# Allegro board 8880F5-0824_updates.brd (continued)
## Routing (per net, layer and track width the routed paths; a pad name or vN(x,y) marks a point on that pad's centre or on a via; arc(x,y) is an arc through that point) (continued)
416.56,72.85 ; D106.A15 416.56,74.47 ; D318.B13 190.5,69.29 ; D318.B13 190.5,67.87 ; D318.B13 189.79,68.58 ; D318.B13 191.21,68.58 ; 319.23,35.56 D104.A6 ; D104.A6 320.04,34.75 ; D104.A6 320.85,35.56 ; D104.A6 320.04,36.37 ; 110.95,33.02 D132.A11 ; D132.A11 111.76,32.21 ; D132.A11 111.76,33.83 ; D132.A11 112.57,33.02 ; 15.24,100.79 D125.B2 ; D125.B2 14.43,101.6 ; D125.B2 15.24,102.41 ; D125.B2 16.05,101.6 ; 37.29,53.34 D127.A11 ; D127.A11 38.1,52.53 ; D127.A11 38.1,54.15 ; D127.A11 38.91,53.34 ; D110.A4 414.02,353.87 ; D110.A4 413.21,353.06 ; D110.A4 414.83,353.06 ; D110.A4 414.02,352.25 ; 332.33,187.45 SITE4.G11 ; SITE4.G11 332.33,188.41 ; SITE4.G11 332.81,187.93 ; SITE4.G11 331.85,187.93 ; 104.14,95.71 D129.A8 ; D129.A8 104.14,97.33 ; D129.A8 103.33,96.52 ; D129.A8 104.95,96.52 ; D109.B13 391.97,330.2 ; D109.B13 391.16,329.39 ; D109.B13 390.35,330.2 ; D109.B13 391.16,331.01 ; 175.26,52.53 D119.A7 ; D119.A7 176.07,53.34 ; D119.A7 175.26,54.15 ; D119.A7 174.45,53.34 ; 398.78,372.57 D111.A10 ; D111.A10 399.59,373.38 ; D111.A10 397.97,373.38 ; D111.A10 398.78,374.19 ; 403.86,39.83 D108.B10 ; D108.B10 403.86,41.45 ; D108.B10 403.05,40.64 ; D108.B10 404.67,40.64 ; 166.83,342.9 CSDPS429.B14 ; CSDPS429.B14 168.45,342.9 ; CSDPS429.B14 167.64,342.09 ; CSDPS429.B14 167.64,343.71 ; D114.B13 317.5,351.33 ; D114.B13 316.69,350.52 ; D114.B13 318.31,350.52 ; D114.B13 317.5,349.71 ; 403.05,76.2 D106.A10 ; D106.A10 403.86,75.39 ; D106.A10 404.67,76.2 ; D106.A10 403.86,77.01 ; 314.96,34.75 D104.A4 ; D104.A4 314.96,36.37 ; D104.A4 314.15,35.56 ; D104.A4 315.77,35.56 ; D305.B5 391.87,88.9 ; D305.B5 390.45,88.9 ; D305.B5 391.16,88.19 ; D305.B5 391.16,89.61 ; 121.92,93.17 D129.A15 ; D129.A15 121.92,94.79 ; D129.A15 122.73,93.98 ; D129.A15 121.11,93.98 ; CSDPS225.C15 238.76,331.01 ; CSDPS225.C15 239.57,330.2 ; CSDPS225.C15 237.95,330.2 ; CSDPS225.C15 238.76,329.39 ; 311.71,88.9 D301.B3 ; D301.B3 312.42,89.61 ; D301.B3 312.42,88.19 ; D301.B3 313.13,88.9 ; 198.12,65.33 D318.A16 ; D318.A16 197.41,66.04 ; D318.A16 198.12,66.75 ; D318.A16 198.83,66.04 ; D124.B9 254,38.91 ; D124.B9 254,37.29 ; D124.B9 253.19,38.1 ; D124.B9 254.81,38.1 ; D104.B5 318.31,38.1 ; D104.B5 317.5,37.29 ; D104.B5 316.69,38.1 ; D104.B5 317.5,38.91 ; D306.A13 411.48,64.21 ; D306.A13 412.19,63.5 ; D306.A13 410.77,63.5 ; D306.A13 411.48,62.79 ; D120.A6 172.72,36.37 ; D120.A6 172.72,34.75 ; D120.A6 173.53,35.56 ; D120.A6 171.91,35.56 ; 418.29,368.3 D111.B2 ; D111.B2 419.91,368.3 ; D111.B2 419.1,367.49 ; D111.B2 419.1,369.11 ; CSDPS229.C1 201.47,330.2 ; CSDPS229.C1 200.66,331.01 ; CSDPS229.C1 199.85,330.2 ; CSDPS229.C1 200.66,329.39 ; 386.08,57.61 D107.B3 ; D107.B3 386.89,58.42 ; D107.B3 386.08,59.23 ; D107.B3 385.27,58.42 ; 165.1,37.29 D120.B3 ; D120.B3 165.1,38.91 ; D120.B3 164.29,38.1 ; D120.B3 165.91,38.1 ; 332.74,32.21 D104.A11 ; D104.A11 332.74,33.83 ; D104.A11 331.93,33.02 ; D104.A11 333.55,33.02 ; 411.48,329.39 D109.B5 ; D109.B5 412.29,330.2 ; D109.B5 411.48,331.01 ; D109.B5 410.67,330.2 ; D120.B1 160.02,38.91 ; D120.B1 159.21,38.1 ; D120.B1 160.83,38.1 ; D120.B1 160.02,37.29 ; 85.55,38.1 D132.B1 ; D132.B1 87.17,38.1 ; D132.B1 86.36,37.29 ; D132.B1 86.36,38.91 ; 339.65,91.44 D301.B14 ; D301.B14 341.07,91.44 ; D301.B14 340.36,92.15 ; D301.B14 340.36,90.73 ; D107.B11 407.21,58.42 ; D107.B11 406.4,59.23 ; D107.B11 406.4,57.61 ; D107.B11 405.59,58.42 ; 325.12,80.47 D102.B8 ; D102.B8 325.12,82.09 ; D102.B8 325.93,81.28 ; D102.B8 324.31,81.28 ; 403.86,367.49 D111.B8 ; D111.B8 403.86,369.11 ; D111.B8 404.67,368.3 ; D111.B8 403.05,368.3 ; 408.13,393.7 D112.A6 ; D112.A6 408.94,392.89 ; D112.A6 409.75,393.7 ; D112.A6 408.94,394.51 ; D126.A10 35.56,77.01 ; D126.A10 34.75,76.2 ; D126.A10 35.56,75.39 ; D126.A10 36.37,76.2 ; D321.B12 262.33,91.44 ; D321.B12 260.91,91.44 ; D321.B12 261.62,90.73 ; D321.B12 261.62,92.15 ; 248.92,62.79 D322.A7 ; D322.A7 249.63,63.5 ; D322.A7 248.21,63.5 ; D322.A7 248.92,64.21 ; 261.62,39.83 D124.B12 ; D124.B12 262.43,40.64 ; D124.B12 261.62,41.45 ; D124.B12 260.81,40.64 ; D132.B5 96.52,38.91 ; D132.B5 96.52,37.29 ; D132.B5 95.71,38.1 ; D132.B5 97.33,38.1 ; 317.5,390.35 D116.B13 ; D116.B13 316.69,391.16 ; D116.B13 317.5,391.97 ; D116.B13 318.31,391.16 ; D231.B9 181.15,370.84 ; D231.B9 180.34,370.03 ; D231.B9 180.34,371.65 ; D231.B9 179.53,370.84 ; 45.72,34.75 D128.A14 ; D128.A14 46.53,35.56 ; D128.A14 45.72,36.37 ; D128.A14 44.91,35.56 ; D119.A2 163.37,55.88 ; D119.A2 162.56,56.69 ; D119.A2 161.75,55.88 ; D119.A2 162.56,55.07 ; D114.B12 320.04,348.79 ; D114.B12 320.04,347.17 ; D114.B12 319.23,347.98 ; D114.B12 320.85,347.98 ; S4_I2C.4 518.92,204.39 ; S4_I2C.4 517.98,203.45 ; S4_I2C.4 519.86,203.45 ; S4_I2C.4 518.92,202.51 ; 20.32,55.07 D127.A4 ; D127.A4 19.51,55.88 ; D127.A4 20.32,56.69 ; D127.A4 21.13,55.88 ; D108.B4 389.43,40.64 ; D108.B4 388.62,39.83 ; D108.B4 388.62,41.45 ; D108.B4 387.81,40.64 ; D111.A11 396.24,376.73 ; D111.A11 397.05,375.92 ; D111.A11 395.43,375.92 ; D111.A11 396.24,375.11 ; 85.55,33.02 D132.A1 ; D132.A1 86.36,33.83 ; D132.A1 87.17,33.02 ; D132.A1 86.36,32.21 ; D321.B5 243.84,89.61 ; D321.B5 244.55,88.9 ; D321.B5 243.13,88.9 ; D321.B5 243.84,88.19 ; D318.B12 187.96,71.83 ; D318.B12 187.96,70.41 ; D318.B12 188.67,71.12 ; D318.B12 187.25,71.12 ; 331.93,58.42 D103.B11 ; D103.B11 332.74,57.61 ; D103.B11 332.74,59.23 ; D103.B11 333.55,58.42 ; D123.B13 264.97,58.42 ; D123.B13 263.35,58.42 ; D123.B13 264.16,57.61 ; D123.B13 264.16,59.23 ; D322.B2 236.22,71.83 ; D322.B2 236.22,70.41 ; D322.B2 235.51,71.12 ; D322.B2 236.93,71.12 ; 420.83,330.2 D109.B1 ; D109.B1 422.45,330.2 ; D109.B1 421.64,329.39 ; D109.B1 421.64,331.01 ; D122.B3 238.76,79.55 ; D122.B3 238.76,77.93 ; D122.B3 237.95,78.74 ; D122.B3 239.57,78.74 ; 261.62,85.65 D321.A12 ; D321.A12 262.33,86.36 ; D321.A12 261.62,87.07 ; D321.A12 260.91,86.36 ; D119.B16 198.93,60.96 ; D119.B16 198.12,60.15 ; D119.B16 198.12,61.77 ; D119.B16 197.31,60.96 ; D306.A10 403.86,66.75 ; D306.A10 403.15,66.04 ; D306.A10 403.86,65.33 ; D306.A10 404.57,66.04 ; 99.06,100.79 D129.B6 ; D129.B6 99.87,101.6 ; D129.B6 99.06,102.41 ; D129.B6 98.25,101.6 ; 160.02,370.03 D231.B17 ; D231.B17 159.21,370.84 ; D231.B17 160.83,370.84 ; D231.B17 160.02,371.65 ; 383.54,65.33 D306.A2 ; D306.A2 383.54,66.75 ; D306.A2 382.83,66.04 ; D306.A2 384.25,66.04 ; D122.A14 267.51,76.2 ; D122.A14 266.7,77.01 ; D122.A14 265.89,76.2 ; D122.A14 266.7,75.39 ; 98.25,60.96 D131.B6 ; D131.B6 99.06,61.77 ; D131.B6 99.06,60.15 ; D131.B6 99.87,60.96 ; 392.89,353.06 D110.A12 ; D110.A12 393.7,352.25 ; D110.A12 394.51,353.06 ; D110.A12 393.7,353.87 ; D124.B4 241.3,41.45 ; D124.B4 240.49,40.64 ; D124.B4 242.11,40.64 ; D124.B4 241.3,39.83 ; D122.B2 237.03,81.28 ; D122.B2 236.22,82.09 ; D122.B2 235.41,81.28 ; D122.B2 236.22,80.47 ; D115.A6 335.28,374.19 ; D115.A6 336.09,373.38 ; D115.A6 335.28,372.57 ; D115.A6 334.47,373.38 ; 248.21,68.58 D322.B7 ; D322.B7 249.63,68.58 ; D322.B7 248.92,69.29 ; D322.B7 248.92,67.87 ; D125.B12 40.64,102.41 ; D125.B12 39.83,101.6 ; D125.B12 40.64,100.79 ; D125.B12 41.45,101.6 ; D110.B5 412.29,350.52 ; D110.B5 411.48,349.71 ; D110.B5 410.67,350.52 ; D110.B5 411.48,351.33 ; 162.56,367.49 D231.B16 ; D231.B16 163.37,368.3 ; D231.B16 161.75,368.3 ; D231.B16 162.56,369.11 ; 395.43,370.84 D111.B11 ; D111.B11 396.24,370.03 ; D111.B11 397.05,370.84 ; D111.B11 396.24,371.65 ; D120.B13 190.5,38.91 ; D120.B13 189.69,38.1 ; D120.B13 191.31,38.1 ; D120.B13 190.5,37.29 ; 160.02,52.53 D119.A1 ; D119.A1 160.83,53.34 ; D119.A1 160.02,54.15 ; D119.A1 159.21,53.34 ; 413.21,347.98 D110.B4 ; D110.B4 414.83,347.98 ; D110.B4 414.02,347.17 ; D110.B4 414.02,348.79 ; D306.A14 414.73,66.04 ; D306.A14 414.02,65.33 ; D306.A14 413.31,66.04 ; D306.A14 414.02,66.75 ; CSDPS429.C1 201.47,340.36 ; CSDPS429.C1 199.85,340.36 ; CSDPS429.C1 200.66,339.55 ; CSDPS429.C1 200.66,341.17 ; D126.B14 46.53,81.28 ; D126.B14 44.91,81.28 ; D126.B14 45.72,82.09 ; D126.B14 45.72,80.47 ; CSDPS229.C3 195.58,331.01 ; CSDPS229.C3 194.77,330.2 ; CSDPS229.C3 195.58,329.39 ; CSDPS229.C3 196.39,330.2 ; D130.B11 111.76,79.55 ; D130.B11 111.76,77.93 ; D130.B11 110.95,78.74 ; D130.B11 112.57,78.74 ; DPS2.A05 337.82,416.1 ; DPS2.A05 338.63,415.29 ; DPS2.A05 337.82,414.48 ; DPS2.A05 337.01,415.29 ; D120.A14 193.85,35.56 ; D120.A14 192.23,35.56 ; D120.A14 193.04,34.75 ; D120.A14 193.04,36.37 ; D132.B6 99.87,40.64 ; D132.B6 98.25,40.64 ; D132.B6 99.06,41.45 ; 314.15,60.96 D103.B4 ; D103.B4 315.77,60.96 ; D103.B4 314.96,61.77 ; D103.B4 314.96,60.15 ; D115.A5 338.63,375.92 ; D115.A5 337.82,376.73 ; D115.A5 337.82,375.11 ; D115.A5 337.01,375.92 ; 398.07,86.36 D305.A8 ; D305.A8 398.78,87.07 ; D305.A8 398.78,85.65 ; D305.A8 399.49,86.36 ; D122.B14 267.51,81.28 ; D122.B14 266.7,82.09 ; D122.B14 266.7,80.47 ; D122.B14 265.89,81.28 ; 194.77,33.02 D120.A15 ; D120.A15 195.58,33.83 ; D120.A15 195.58,32.21 ; D120.A15 196.39,33.02 ; 167.64,85.65 D317.A4 ; D317.A4 166.93,86.36 ; D317.A4 168.35,86.36 ; D317.A4 167.64,87.07 ; 177.8,382.73 D431.A10 ; D431.A10 178.61,383.54 ; D431.A10 177.8,384.35 ; D431.A10 176.99,383.54 ; D306.A5 391.16,64.21 ; D306.A5 390.45,63.5 ; D306.A5 391.87,63.5 ; D306.A5 391.16,62.79 ; D109.A1 421.64,336.09 ; D109.A1 420.83,335.28 ; D109.A1 421.64,334.47 ; D109.A1 422.45,335.28 ; CSDPS429.C9 180.34,341.17 ; CSDPS429.C9 181.15,340.36 ; CSDPS429.C9 180.34,339.55 ; CSDPS429.C9 179.53,340.36 ; 390.45,68.58 D306.B5 ; D306.B5 391.16,67.87 ; D306.B5 391.87,68.58 ; D306.B5 391.16,69.29 ; 258.37,63.5 D322.A11 ; D322.A11 259.79,63.5 ; D322.A11 259.08,62.79 ; D322.A11 259.08,64.21 ; D103.A10 331.01,55.88 ; D103.A10 330.2,55.07 ; D103.A10 329.39,55.88 ; D103.A10 330.2,56.69 ; D127.A1 12.7,54.15 ; D127.A1 12.7,52.53 ; D127.A1 13.51,53.34 ; 243.84,329.39 CSDPS225.C13 ; CSDPS225.C13 243.03,330.2 ; CSDPS225.C13 243.84,331.01 ; CSDPS225.C13 244.65,330.2 ; 390.45,83.82 D305.A5 ; D305.A5 391.87,83.82 ; D305.A5 391.16,84.53 ; D103.A4 314.96,56.69 ; D103.A4 314.96,55.07 ; D103.A4 315.77,55.88 ; D103.A4 314.15,55.88 ; D231.B14 167.64,369.11 ; D231.B14 168.45,368.3 ; D231.B14 167.64,367.49 ; D231.B14 166.83,368.3 ; 243.84,57.61 D123.B5 ; D123.B5 243.84,59.23 ; D123.B5 244.65,58.42 ; D123.B5 243.03,58.42 ; D321.B11 259.08,89.61 ; D321.B11 259.08,88.19 ; D321.B11 258.37,88.9 ; D321.B11 259.79,88.9 ; D124.A4 241.3,36.37 ; D124.A4 240.49,35.56 ; D124.A4 241.3,34.75 ; D124.A4 242.11,35.56 ; 408.94,39.83 D108.B12 ; D108.B12 408.94,41.45 ; D108.B12 409.75,40.64 ; D108.B12 408.13,40.64 ; 325.12,387.81 D116.B10 ; D116.B10 325.93,388.62 ; D116.B10 324.31,388.62 ; D116.B10 325.12,389.43 ; 414.02,85.65 D305.A14 ; D305.A14 414.02,87.07 ; D305.A14 414.73,86.36 ; D305.A14 413.31,86.36 ; D111.B15 386.89,370.84 ; D111.B15 385.27,370.84 ; D111.B15 386.08,370.03 ; D111.B15 386.08,371.65 ; D322.A12 262.33,66.04 ; D322.A12 261.62,66.75 ; D322.A12 261.62,65.33 ; D322.A12 260.91,66.04 ; 400.51,58.42 D107.B9 ; D107.B9 402.13,58.42 ; D107.B9 401.32,59.23 ; D107.B9 401.32,57.61 ; D106.B8 398.78,82.09 ; D106.B8 398.78,80.47 ; D106.B8 399.59,81.28 ; D106.B8 397.97,81.28 ; 392.89,388.62 D112.B12 ; D112.B12 393.7,387.81 ; D112.B12 394.51,388.62 ; D112.B12 393.7,389.43 ; D102.A10 330.2,77.01 ; D102.A10 331.01,76.2 ; D102.A10 330.2,75.39 ; D102.A10 329.39,76.2 ; D115.A7 332.74,376.73 ; D115.A7 331.93,375.92 ; D115.A7 333.55,375.92 ; D115.A7 332.74,375.11 ; 320.04,60.15 D103.B6 ; D103.B6 320.04,61.77 ; D103.B6 319.23,60.96 ; D103.B6 320.85,60.96 ; 253.19,78.74 D122.B9 ; D122.B9 254,77.93 ; D122.B9 254.81,78.74 ; D122.B9 254,79.55 ; 387.81,368.3 D111.B14 ; D111.B14 388.62,369.11 ; D111.B14 388.62,367.49 ; D111.B14 389.43,368.3 ; 256.54,75.39 D122.A10 ; D122.A10 255.73,76.2 ; D122.A10 257.35,76.2 ; D122.A10 256.54,77.01 ; 337.82,370.03 D115.B5 ; D115.B5 337.82,371.65 ; D115.B5 338.63,370.84 ; D115.B5 337.01,370.84 ; SITE3.G6 253.81,181.33 ; SITE3.G6 253.33,180.85 ; SITE3.G6 252.85,181.33 ; SITE3.G6 253.33,181.81 ; 171.91,60.96 D119.B6 ; D119.B6 173.53,60.96 ; D119.B6 172.72,61.77 ; D119.B6 172.72,60.15 ; CSDPS425.C1 275.13,340.36 ; CSDPS425.C1 274.32,339.55 ; CSDPS425.C1 273.51,340.36 ; CSDPS425.C1 274.32,341.17 ; 110.95,53.34 D131.A11 ; D131.A11 111.76,52.53 ; D131.A11 111.76,54.15 ; D131.A11 112.57,53.34 ; 250.23,182.35 SITE3.G14 ; SITE3.G14 250.23,183.31 ; SITE3.G14 249.75,182.83 ; SITE3.G14 250.71,182.83 ; 250.33,247.45 SITE1.G9 ; SITE1.G9 250.81,247.93 ; SITE1.G9 249.85,247.93 ; SITE1.G9 250.33,248.41 ; 309.07,76.2 D102.A2 ; D102.A2 309.88,77.01 ; D102.A2 310.69,76.2 ; D102.A2 309.88,75.39 ; 19.51,96.52 D125.A4 ; D125.A4 20.32,95.71 ; D125.A4 21.13,96.52 ; D125.A4 20.32,97.33 ; D113.A3 343.71,335.28 ; D113.A3 342.9,336.09 ; D113.A3 342.9,334.47 ; D113.A3 342.09,335.28 ; D431.B10 177.8,379.27 ; D431.B10 178.61,378.46 ; D431.B10 177.8,377.65 ; D431.B10 176.99,378.46 ; 47.45,73.66 D126.A15 ; D126.A15 49.07,73.66 ; D126.A15 48.26,74.47 ; D126.A15 48.26,72.85 ; 382.73,76.2 D106.A2 ; D106.A2 384.35,76.2 ; D106.A2 383.54,77.01 ; D106.A2 383.54,75.39 ; D102.B11 333.55,78.74 ; D102.B11 331.93,78.74 ; D102.B11 332.74,79.55 ; D102.B11 332.74,77.93 ; 247.85,247.93 SITE1.G7 ; SITE1.G7 248.33,248.41 ; SITE1.G7 248.81,247.93 ; SITE1.G7 248.33,247.45 ; 337.11,88.9 D301.B13 ; D301.B13 338.53,88.9 ; D301.B13 337.82,89.61 ; D301.B13 337.82,88.19 ; 187.15,35.56 D120.A12 ; D120.A12 187.96,36.37 ; D120.A12 188.77,35.56 ; D120.A12 187.96,34.75 ; D305.A11 407.11,83.82 ; D305.A11 406.4,83.11 ; D305.A11 406.4,84.53 ; D305.A11 405.69,83.82 ; 269.24,57.61 D123.B15 ; D123.B15 270.05,58.42 ; D123.B15 268.43,58.42 ; D123.B15 269.24,59.23 ; SITE3.G11 252.81,187.93 ; SITE3.G11 252.33,187.45 ; SITE3.G11 252.33,188.41 ; SITE3.G11 251.85,187.93 ; 309.07,368.3 D115.B16 ; D115.B16 310.69,368.3 ; D115.B16 309.88,367.49 ; D115.B16 309.88,369.11 ; 104.95,35.56 D132.A8 103.33,35.56 ; D108.A5 391.97,33.02 ; D108.A5 391.16,32.21 ; D108.A5 391.16,33.83 ; D108.A5 390.35,33.02 ; 187.96,65.33 D318.A12 ; D318.A12 187.96,66.75 ; D318.A12 187.25,66.04 ; D318.A12 188.67,66.04 ; D115.B6 335.28,369.11 ; D115.B6 334.47,368.3 ; D115.B6 336.09,368.3 ; D115.B6 335.28,367.49 ; D306.A8 399.49,66.04 ; D306.A8 398.07,66.04 ; D306.A8 398.78,65.33 ; D306.A8 398.78,66.75 ; D302.A12 335.99,66.04 ; D302.A12 335.28,65.33 ; D302.A12 335.28,66.75 ; D302.A12 334.57,66.04 ; SITE2.G20 333.11,246.43 ; SITE2.G20 332.63,245.95 ; SITE2.G20 332.63,246.91 ; SITE2.G20 332.15,246.43 ; D106.B16 419.91,81.28 ; D106.B16 419.1,80.47 ; D106.B16 418.29,81.28 ; D110.B14 388.62,348.79 ; D110.B14 389.43,347.98 ; D110.B14 388.62,347.17 ; D110.B14 387.81,347.98 ; 337.11,63.5 D302.A13 ; D302.A13 337.82,64.21 ; D302.A13 337.82,62.79 ; D302.A13 338.53,63.5 ; 187.96,80.47 D118.B12 ; D118.B12 187.96,82.09 ; D118.B12 188.77,81.28 ; D118.B12 187.15,81.28 ; 321.77,391.16 D116.B11 ; D116.B11 322.58,390.35 ; D116.B11 322.58,391.97 ; D116.B11 323.39,391.16 ; D431.B16 162.56,379.27 ; D431.B16 163.37,378.46 ; D431.B16 162.56,377.65 ; D431.B16 161.75,378.46 ; 408.94,372.57 D111.A6 ; D111.A6 408.13,373.38 ; D111.A6 409.75,373.38 ; D111.A6 408.94,374.19 ; 403.86,347.17 D110.B8 ; D110.B8 403.05,347.98 ; D110.B8 404.67,347.98 ; D110.B8 403.86,348.79 ; 388.62,65.33 D306.A4 ; D306.A4 389.33,66.04 ; D306.A4 388.62,66.75 ; D306.A4 387.91,66.04 ; 175.26,67.87 D318.B7 ; D318.B7 175.97,68.58 ; D318.B7 175.26,69.29 ; D318.B7 174.55,68.58 ; 396.24,77.93 D106.B7 ; D106.B7 397.05,78.74 ; D106.B7 395.43,78.74 ; D106.B7 396.24,79.55 ; D302.B15 343.61,68.58 ; D302.B15 342.19,68.58 ; D302.B15 342.9,69.29 ; D302.B15 342.9,67.87 ; 48.26,77.93 D126.B15 ; D126.B15 49.07,78.74 ; D126.B15 47.45,78.74 ; D126.B15 48.26,79.55 ; D128.A9 33.02,33.83 ; D128.A9 33.83,33.02 ; D128.A9 32.21,33.02 ; D128.A9 33.02,32.21 ; D431.B7 185.42,381.81 ; D431.B7 184.61,381 ; D431.B7 186.23,381 ; D431.B7 185.42,380.19 ; D125.A5 22.86,94.79 ; D125.A5 23.67,93.98 ; D125.A5 22.86,93.17 ; D125.A5 22.05,93.98 ; D302.B11 332.74,69.29 ; D302.B11 332.03,68.58 ; D302.B11 332.74,67.87 ; D302.B11 333.45,68.58 ; D126.B2 16.05,81.28 ; D126.B2 15.24,80.47 ; D126.B2 15.24,82.09 ; D126.B2 14.43,81.28 ; SITE1.G20 253.11,246.43 ; SITE1.G20 252.63,245.95 ; SITE1.G20 252.63,246.91 ; SITE1.G20 252.15,246.43 ; 251.43,185.95 SITE3.G19 ; SITE3.G19 250.95,186.43 ; SITE3.G19 251.43,186.91 ; SITE3.G19 251.91,186.43 ; D118.B2 163.37,81.28 ; D118.B2 162.56,82.09 ; D118.B2 161.75,81.28 ; D118.B2 162.56,80.47 ; 189.69,78.74 D118.B13 ; D118.B13 190.5,79.55 ; D118.B13 191.31,78.74 ; D118.B13 190.5,77.93 ; D431.A5 190.5,386.89 ; D431.A5 189.69,386.08 ; D431.A5 191.31,386.08 ; D431.A5 190.5,385.27 ; 347.17,335.28 D113.A1 ; D113.A1 347.98,334.47 ; D113.A1 348.79,335.28 ; D113.A1 347.98,336.09 ; 396.24,67.87 D306.B7 ; D306.B7 396.24,69.29 ; D306.B7 396.95,68.58 ; D306.B7 395.53,68.58 ; D104.B9 328.47,38.1 ; D104.B9 327.66,38.91 ; D104.B9 326.85,38.1 ; D104.B9 327.66,37.29 ; 340.36,60.15 D103.B14 ; D103.B14 341.17,60.96 ; D103.B14 340.36,61.77 ; D103.B14 339.55,60.96 ; 332.63,182.35 SITE4.G16 ; SITE4.G16 332.15,182.83 ; SITE4.G16 333.11,182.83 ; SITE4.G16 332.63,183.31 ; 263.35,38.1 D124.B13 ; D124.B13 264.16,38.91 ; D124.B13 264.97,38.1 ; D124.B13 264.16,37.29 ; 408.23,86.36 D305.A12 ; D305.A12 408.94,85.65 ; D305.A12 409.65,86.36 ; D305.A12 408.94,87.07 ; D129.B12 115.11,101.6 ; D129.B12 114.3,102.41 ; D129.B12 114.3,100.79 ; D129.B12 113.49,101.6 ; 401.32,375.11 D111.A9 ; D111.A9 401.32,376.73 ; D111.A9 402.13,375.92 ; D111.A9 400.51,375.92 ; 240.49,342.9 CSDPS425.B14 ; CSDPS425.B14 241.3,343.71 ; CSDPS425.B14 241.3,342.09 ; CSDPS425.B14 242.11,342.9 ; DPS1.A11 406.4,14.78 ; DPS1.A11 406.4,13.16 ; DPS1.A11 407.21,13.97 ; DPS1.A11 405.59,13.97 ; 317.5,57.61 D103.B5 ; D103.B5 316.69,58.42 ; D103.B5 318.31,58.42 ; D103.B5 317.5,59.23 ; D107.A7 397.05,53.34 ; D107.A7 396.24,52.53 ; D107.A7 395.43,53.34 ; D107.A7 396.24,54.15 ; D107.B12 408.94,61.77 ; D107.B12 408.94,60.15 ; D107.B12 408.13,60.96 ; D107.B12 409.75,60.96 ; D129.B2 89.71,101.6 ; D129.B2 88.9,100.79 ; D129.B2 88.09,101.6 ; D129.B2 88.9,102.41 ; 174.45,375.92 D231.A11 ; D231.A11 176.07,375.92 ; D231.A11 175.26,375.11 ; D231.A11 175.26,376.73 ; D126.A9 33.02,74.47 ; D126.A9 32.21,73.66 ; D126.A9 33.02,72.85 ; D126.A9 33.83,73.66 ; D125.A12 41.45,96.52 ; D125.A12 40.64,97.33 ; D125.A12 40.64,95.71 ; D125.A12 39.83,96.52 ; D114.B8 331.01,347.98 ; D114.B8 330.2,347.17 ; D114.B8 330.2,348.79 ; D114.B8 329.39,347.98 ; 322.58,83.11 D301.A7 ; D301.A7 321.87,83.82 ; D301.A7 322.58,84.53 ; D301.A7 323.29,83.82 ; 105.87,53.34 D131.A9 ; D131.A9 106.68,52.53 ; D131.A9 106.68,54.15 ; 383.54,326.85 D109.B16 ; D109.B16 382.73,327.66 ; D109.B16 383.54,328.47 ; D109.B16 384.35,327.66 ; D127.B12 41.45,60.96 ; D127.B12 39.83,60.96 ; D127.B12 40.64,60.15 ; D127.B12 40.64,61.77 ; 388.62,331.93 D109.A14 ; D109.A14 389.43,332.74 ; D109.A14 388.62,333.55 ; D109.A14 387.81,332.74 ; D115.A14 315.77,373.38 ; D115.A14 314.96,372.57 ; D115.A14 314.96,374.19 ; D115.A14 314.15,373.38 ; 170.18,88.19 D317.B5 ; D317.B5 169.47,88.9 ; D317.B5 170.18,89.61 ; D317.B5 170.89,88.9 ; D431.B6 187.96,379.27 ; D431.B6 188.77,378.46 ; D431.B6 187.96,377.65 ; D431.B6 187.15,378.46 ; D126.A5 22.86,74.47 ; D126.A5 22.86,72.85 ; D126.A5 23.67,73.66 ; D126.A5 22.05,73.66 ; D114.A5 338.63,355.6 ; D114.A5 337.01,355.6 ; D114.A5 337.82,354.79 ; D114.A5 337.82,356.41 ; 320.04,90.73 D301.B6 ; D301.B6 319.33,91.44 ; D301.B6 320.75,91.44 ; D301.B6 320.04,92.15 ; 124.46,95.71 D129.A16 ; D129.A16 123.65,96.52 ; D129.A16 124.46,97.33 ; D129.A16 125.27,96.52 ; 114.3,80.47 D130.B12 ; D130.B12 115.11,81.28 ; D130.B12 113.49,81.28 ; D130.B12 114.3,82.09 ; 108.41,81.28 D130.B10 ; D130.B10 109.22,82.09 ; D130.B10 109.22,80.47 ; D130.B10 110.03,81.28 ; 19.51,35.56 D128.A4 ; D128.A4 21.13,35.56 ; D128.A4 20.32,34.75 ; D128.A4 20.32,36.37 ; UNK4U2.4 483.43,171.51 ; UNK4U2.4 482.49,172.45 ; UNK4U2.4 481.55,171.51 ; UNK4U2.4 482.49,170.56 ; D431.B1 200.66,381.81 ; D431.B1 200.66,380.19 ; D431.B1 201.47,381 ; D431.B1 199.85,381 ; D112.A8 404.67,393.7 ; D112.A8 403.86,392.89 ; D112.A8 403.05,393.7 ; D112.A8 403.86,394.51 ; SITE4.G6 333.33,181.81 ; SITE4.G6 332.85,181.33 ; SITE4.G6 333.33,180.85 ; SITE4.G6 333.81,181.33 ; D306.B16 419.81,71.12 ; D306.B16 419.1,70.41 ; D306.B16 418.39,71.12 ; D306.B16 419.1,71.83 ; D111.B5 411.48,371.65 ; D111.B5 412.29,370.84 ; D111.B5 410.67,370.84 ; D111.B5 411.48,370.03 ; 405.59,78.74 D106.B11 ; D106.B11 406.4,79.55 ; D106.B11 406.4,77.93 ; D106.B11 407.21,78.74 ; D102.A5 317.5,74.47 ; D102.A5 317.5,72.85 ; D102.A5 318.31,73.66 ; D102.A5 316.69,73.66 ; 418.29,35.56 D108.A16 ; D108.A16 419.1,36.37 ; D108.A16 419.1,34.75 ; D108.A16 419.91,35.56 ; D103.B16 346.25,60.96 ; D103.B16 344.63,60.96 ; D103.B16 345.44,61.77 ; D103.B16 345.44,60.15 ; 177.8,70.41 D318.B8 ; D318.B8 177.09,71.12 ; D318.B8 178.51,71.12 ; D318.B8 177.8,71.83 ; D115.B15 313.23,370.84 ; D115.B15 312.42,370.03 ; D115.B15 311.61,370.84 ; D115.B15 312.42,371.65 ; 189.69,73.66 D118.A13 ; D118.A13 190.5,72.85 ; D118.A13 191.31,73.66 ; D118.A13 190.5,74.47 ; D322.A15 269.95,63.5 ; D322.A15 269.24,64.21 ; D322.A15 268.53,63.5 ; D322.A15 269.24,62.79 ; 160.02,67.87 D318.B1 ; D318.B1 160.02,69.29 ; D318.B1 159.31,68.58 ; D318.B1 160.73,68.58 ; 326.95,63.5 D302.A9 ; D302.A9 328.37,63.5 ; D302.A9 327.66,62.79 ; D302.A9 327.66,64.21 ; D124.A12 262.43,35.56 ; D124.A12 261.62,34.75 ; D124.A12 261.62,36.37 ; D124.A12 260.81,35.56 ; 180.34,37.29 D120.B9 ; D120.B9 181.15,38.1 ; D120.B9 179.53,38.1 ; D120.B9 180.34,38.91 ; 22.05,78.74 D126.B5 ; D126.B5 22.86,77.93 ; D126.B5 23.67,78.74 ; D126.B5 22.86,79.55 ; D114.B10 325.93,347.98 ; D114.B10 325.12,348.79 ; D114.B10 325.12,347.17 ; D114.B10 324.31,347.98 ; D112.B16 383.54,389.43 ; D112.B16 383.54,387.81 ; D112.B16 384.35,388.62 ; D112.B16 382.73,388.62 ; D131.B2 88.9,61.77 ; D131.B2 88.09,60.96 ; D131.B2 88.9,60.15 ; D131.B2 89.71,60.96 ; D119.B3 165.91,58.42 ; D119.B3 165.1,59.23 ; D119.B3 164.29,58.42 ; 253.19,340.36 CSDPS425.C9 ; CSDPS425.C9 254,341.17 ; CSDPS425.C9 254.81,340.36 ; CSDPS425.C9 254,339.55 ; D302.A15 343.61,63.5 ; D302.A15 342.19,63.5 ; D302.A15 342.9,64.21 ; D302.A15 342.9,62.79 ; D108.B5 391.97,38.1 ; D108.B5 390.35,38.1 ; D108.B5 391.16,37.29 ; D108.B5 391.16,38.91 ; 388.62,85.65 D305.A4 ; D305.A4 389.33,86.36 ; D305.A4 387.91,86.36 ; D305.A4 388.62,87.07 ; 91.44,37.29 D132.B3 ; D132.B3 91.44,38.91 ; D132.B3 92.25,38.1 ; 344.73,66.04 D302.A16 ; D302.A16 345.44,65.33 ; D302.A16 346.15,66.04 ; D302.A16 345.44,66.75 ; 403.86,352.25 D110.A8 ; D110.A8 403.86,353.87 ; D110.A8 404.67,353.06 ; D110.A8 403.05,353.06 ; 268.53,83.82 D321.A15 ; D321.A15 269.95,83.82 ; D321.A15 269.24,83.11 ; D321.A15 269.24,84.53 ; 182.07,368.3 D231.B8 ; D231.B8 182.88,369.11 ; D231.B8 183.69,368.3 ; D231.B8 182.88,367.49 ; SITE3.G16 252.63,183.31 ; SITE3.G16 252.63,182.35 ; SITE3.G16 253.11,182.83 ; SITE3.G16 252.15,182.83 ; 403.86,331.93 D109.A8 ; D109.A8 403.05,332.74 ; D109.A8 403.86,333.55 ; D109.A8 404.67,332.74 ; D129.B9 106.68,99.87 ; D129.B9 105.87,99.06 ; D129.B9 106.68,98.25 ; D128.A5 23.67,33.02 ; D128.A5 22.05,33.02 ; D128.A5 22.86,33.83 ; D128.A5 22.86,32.21 ; D129.B10 110.03,101.6 ; D129.B10 109.22,100.79 ; D129.B10 109.22,102.41 ; D129.B10 108.41,101.6 ; 266.7,342.09 CSDPS425.B4 ; CSDPS425.B4 265.89,342.9 ; CSDPS425.B4 267.51,342.9 ; CSDPS425.B4 266.7,343.71 ; 334.47,76.2 D102.A12 ; D102.A12 335.28,75.39 ; D102.A12 335.28,77.01 ; D102.A12 336.09,76.2 ; 271.78,70.41 D322.B16 ; D322.B16 271.07,71.12 ; D322.B16 271.78,71.83 ; D322.B16 272.49,71.12 ; 246.38,85.65 D321.A6 ; D321.A6 247.09,86.36 ; D321.A6 245.67,86.36 ; D321.A6 246.38,87.07 ; SITE4.G3 330.33,181.81 ; SITE4.G3 330.81,181.33 ; SITE4.G3 330.33,180.85 ; SITE4.G3 329.85,181.33 ; 105.87,78.74 D130.B9 ; D130.B9 106.68,79.55 ; D130.B9 106.68,77.93 ; 413.21,35.56 D108.A14 ; D108.A14 414.02,36.37 ; D108.A14 414.02,34.75 ; D108.A14 414.83,35.56 ; D109.B2 419.91,327.66 ; D109.B2 419.1,328.47 ; D109.B2 419.1,326.85 ; D109.B2 418.29,327.66 ; D113.B15 313.23,330.2 ; D113.B15 311.61,330.2 ; D113.B15 312.42,329.39 ; D113.B15 312.42,331.01 ; D127.B7 27.94,59.23 ; D127.B7 28.75,58.42 ; D127.B7 27.13,58.42 ; D127.B7 27.94,57.61 ; CSDPS225.C9 254.81,330.2 ; CSDPS225.C9 254,331.01 ; CSDPS225.C9 253.19,330.2 ; CSDPS225.C9 254,329.39 ; D110.B15 386.89,350.52 ; D110.B15 386.08,349.71 ; D110.B15 385.27,350.52 ; D110.B15 386.08,351.33 ; DPS2.C01 347.98,411.02 ; DPS2.C01 348.79,410.21 ; DPS2.C01 347.17,410.21 ; DPS2.C01 347.98,409.4 ; 179.53,330.2 CSDPS229.C9 ; CSDPS229.C9 180.34,329.39 ; CSDPS229.C9 180.34,331.01 ; CSDPS229.C9 181.15,330.2 ; 113.49,76.2 D130.A12 ; D130.A12 114.3,75.39 ; D130.A12 114.3,77.01 ; D130.A12 115.11,76.2 ; 327.66,370.03 D115.B9 ; D115.B9 328.47,370.84 ; D115.B9 327.66,371.65 ; D115.B9 326.85,370.84 ; D103.A8 325.12,56.69 ; D103.A8 325.93,55.88 ; D103.A8 324.31,55.88 ; D103.A8 325.12,55.07 ; 418.29,388.62 D112.B2 ; D112.B2 419.1,389.43 ; D112.B2 419.91,388.62 ; D112.B2 419.1,387.81 ; UNK4U1.4 482.59,186.05 ; UNK4U1.4 482.59,184.17 ; UNK4U1.4 481.65,185.11 ; UNK4U1.4 483.53,185.11 ; 250.65,342.9 CSDPS425.B10 ; CSDPS425.B10 251.46,342.09 ; CSDPS425.B10 252.27,342.9 ; CSDPS425.B10 251.46,343.71 ; 82.37,209.04 S3_I2C.4 ; S3_I2C.4 84.25,209.04 ; S3_I2C.4 83.31,208.1 ; S3_I2C.4 83.31,209.98 ; D120.A10 183.69,35.56 ; D120.A10 182.88,34.75 ; D120.A10 182.88,36.37 ; D120.A10 182.07,35.56 ; 97.4,174.52 UNK3U2.4 ; UNK3U2.4 97.4,176.4 ; UNK3U2.4 96.46,175.46 ; UNK3U2.4 98.34,175.46 ; D321.B3 238.76,89.61 ; D321.B3 239.47,88.9 ; D321.B3 238.76,88.19 ; D321.B3 238.05,88.9 ; 248.92,77.93 D122.B7 ; D122.B7 248.11,78.74 ; D122.B7 249.73,78.74 ; D122.B7 248.92,79.55 ; 166.83,40.64 D120.B4 ; D120.B4 167.64,39.83 ; D120.B4 167.64,41.45 ; D120.B4 168.45,40.64 ; D103.A13 337.82,54.15 ; D103.A13 337.82,52.53 ; D103.A13 337.01,53.34 ; D103.A13 338.63,53.34 ; D115.B3 343.71,370.84 ; D115.B3 342.9,371.65 ; D115.B3 342.09,370.84 ; D115.B3 342.9,370.03 ; D322.B15 269.95,68.58 ; D322.B15 269.24,67.87 ; D322.B15 268.53,68.58 ; D322.B15 269.24,69.29 ; D111.A1 421.64,376.73 ; D111.A1 422.45,375.92 ; D111.A1 421.64,375.11 ; D111.A1 420.83,375.92 ; D108.B15 416.56,38.91 ; D108.B15 417.37,38.1 ; D108.B15 416.56,37.29 ; D108.B15 415.75,38.1 ; D322.A16 272.49,66.04 ; D322.A16 271.78,65.33 ; D322.A16 271.78,66.75 ; D322.A16 271.07,66.04 ; 250.75,91.44 D321.B8 ; D321.B8 251.46,90.73 ; D321.B8 251.46,92.15 ; D321.B8 252.17,91.44 ; D110.B9 401.32,351.33 ; D110.B9 400.51,350.52 ; D110.B9 402.13,350.52 ; D110.B9 401.32,349.71 ; 307.34,52.53 D103.A1 ; D103.A1 308.15,53.34 ; D103.A1 307.34,54.15 ; D103.A1 306.53,53.34 ; DPS8.A05 191.31,415.29 ; DPS8.A05 189.69,415.29 ; DPS8.A05 190.5,416.1 ; DPS8.A05 190.5,414.48 ; D116.B1 347.98,391.97 ; D116.B1 347.98,390.35 ; D116.B1 348.79,391.16 ; D116.B1 347.17,391.16 ; D110.B7 407.21,350.52 ; D110.B7 406.4,351.33 ; D110.B7 405.59,350.52 ; D110.B7 406.4,349.71 ; 253.33,247.45 SITE1.G12 ; SITE1.G12 252.85,247.93 ; SITE1.G12 253.33,248.41 ; SITE1.G12 253.81,247.93 ; 251.46,70.41 D322.B8 ; D322.B8 250.75,71.12 ; D322.B8 252.17,71.12 ; D322.B8 251.46,71.83 ; 383.54,80.47 D106.B2 ; D106.B2 384.35,81.28 ; D106.B2 382.73,81.28 ; 179.53,375.92 D231.A9 ; D231.A9 181.15,375.92 ; D231.A9 180.34,375.11 ; D231.A9 180.34,376.73 ; D129.A12 115.11,96.52 ; D129.A12 114.3,97.33 ; D129.A12 114.3,95.71 ; D129.A12 113.49,96.52 ; 337.01,78.74 D102.B13 ; D102.B13 338.63,78.74 ; D102.B13 337.82,77.93 ; D102.B13 337.82,79.55 ; 413.21,393.7 D112.A4 ; D112.A4 414.83,393.7 ; D112.A4 414.02,394.51 ; D112.A4 414.02,392.89 ; SITE4.G15 331.43,183.31 ; SITE4.G15 330.95,182.83 ; SITE4.G15 331.43,182.35 ; SITE4.G15 331.91,182.83 ; 184.61,33.02 D120.A11 ; D120.A11 186.23,33.02 ; D120.A11 185.42,32.21 ; D120.A11 185.42,33.83 ; D130.B2 88.9,82.09 ; D130.B2 88.9,80.47 ; D130.B2 89.71,81.28 ; D130.B2 88.09,81.28 ; 161.85,91.44 D317.B2 ; D317.B2 162.56,92.15 ; D317.B2 162.56,90.73 ; D317.B2 163.27,91.44 ; 381,77.93 D106.B1 ; D106.B1 381.81,78.74 ; D106.B1 380.19,78.74 ; D106.B1 381,79.55 ; D302.B10 330.91,71.12 ; D302.B10 329.49,71.12 ; D302.B10 330.2,70.41 ; D302.B10 330.2,71.83 ; D107.A5 391.97,53.34 ; D107.A5 391.16,54.15 ; D107.A5 391.16,52.53 ; D107.A5 390.35,53.34 ; D108.B14 414.83,40.64 ; D108.B14 413.21,40.64 ; D108.B14 414.02,41.45 ; D108.B14 414.02,39.83 ; D306.B6 394.41,71.12 ; D306.B6 393.7,71.83 ; D306.B6 392.99,71.12 ; D306.B6 393.7,70.41 ; D122.B16 272.59,81.28 ; D122.B16 270.97,81.28 ; D122.B16 271.78,80.47 ; D122.B16 271.78,82.09 ; D126.B1 12.7,79.55 ; D126.B1 13.51,78.74 ; D126.B1 12.7,77.93 ; 382.83,86.36 D305.A2 ; D305.A2 384.25,86.36 ; D305.A2 383.54,85.65 ; D305.A2 383.54,87.07 ; D110.A5 411.48,356.41 ; D110.A5 410.67,355.6 ; D110.A5 411.48,354.79 ; D110.A5 412.29,355.6 ; 388.62,34.75 D108.A4 ; D108.A4 388.62,36.37 ; D108.A4 389.43,35.56 ; D108.A4 387.81,35.56 ; DPS2.C05 338.63,410.21 ; DPS2.C05 337.01,410.21 ; DPS2.C05 337.82,411.02 ; DPS2.C05 337.82,409.4 ; 329.39,393.7 D116.A8 ; D116.A8 331.01,393.7 ; D116.A8 330.2,392.89 ; D116.A8 330.2,394.51 ; D102.A13 337.82,74.47 ; D102.A13 337.01,73.66 ; D102.A13 338.63,73.66 ; D102.A13 337.82,72.85 ; 380.19,33.02 D108.A1 ; D108.A1 381.81,33.02 ; D108.A1 381,33.83 ; D108.A1 381,32.21 ; D103.B12 336.09,60.96 ; D103.B12 334.47,60.96 ; D103.B12 335.28,61.77 ; D103.B12 335.28,60.15 ; D129.B1 86.36,99.87 ; D129.B1 85.55,99.06 ; D129.B1 86.36,98.25 ; D129.B1 87.17,99.06 ; D305.B8 399.49,91.44 ; D305.B8 398.78,92.15 ; D305.B8 398.07,91.44 ; D305.B8 398.78,90.73 ; D114.A16 310.69,353.06 ; D114.A16 309.07,353.06 ; D114.A16 309.88,353.87 ; D114.A16 309.88,352.25 ; D116.B8 330.2,389.43 ; D116.B8 329.39,388.62 ; D116.B8 331.01,388.62 ; D116.B8 330.2,387.81 ; D322.B10 256.54,71.83 ; D322.B10 256.54,70.41 ; D322.B10 257.25,71.12 ; D322.B10 255.83,71.12 ; 93.17,55.88 D131.A4 ; D131.A4 94.79,55.88 ; D131.A4 93.98,56.69 ; D131.A4 93.98,55.07 ; D111.B6 408.94,369.11 ; D111.B6 409.75,368.3 ; D111.B6 408.13,368.3 ; D111.B6 408.94,367.49 ; D127.B10 36.37,60.96 ; D127.B10 34.75,60.96 ; D127.B10 35.56,60.15 ; D127.B10 35.56,61.77 ; D104.A5 318.31,33.02 ; D104.A5 317.5,33.83 ; D104.A5 317.5,32.21 ; D104.A5 316.69,33.02 ; 261.62,75.39 D122.A12 ; D122.A12 262.43,76.2 ; D122.A12 261.62,77.01 ; D122.A12 260.81,76.2 ; 182.07,342.9 CSDPS429.B8 ; CSDPS429.B8 183.69,342.9 ; CSDPS429.B8 182.88,342.09 ; CSDPS429.B8 182.88,343.71 ; 383.54,70.41 D306.B2 ; D306.B2 382.83,71.12 ; D306.B2 384.25,71.12 ; D306.B2 383.54,71.83 ; 393.7,392.89 D112.A12 ; D112.A12 394.51,393.7 ; D112.A12 392.89,393.7 ; D112.A12 393.7,394.51 ; D113.B6 335.28,328.47 ; D113.B6 335.28,326.85 ; D113.B6 336.09,327.66 ; D113.B6 334.47,327.66 ; D115.B12 320.85,368.3 ; D115.B12 320.04,367.49 ; D115.B12 320.04,369.11 ; D115.B12 319.23,368.3 ; D305.A3 386.08,84.53 ; D305.A3 386.79,83.82 ; D305.A3 385.37,83.82 ; 347.98,329.39 D113.B1 ; D113.B1 347.98,331.01 ; D113.B1 347.17,330.2 ; D113.B1 348.79,330.2 ; 327.66,349.71 D114.B9 ; D114.B9 328.47,350.52 ; D114.B9 327.66,351.33 ; D114.B9 326.85,350.52 ; 408.94,70.41 D306.B12 ; D306.B12 408.94,71.83 ; D306.B12 408.23,71.12 ; D306.B12 409.65,71.12 ; D116.B16 309.88,389.43 ; D116.B16 309.88,387.81 ; D116.B16 309.07,388.62 ; D116.B16 310.69,388.62 ; D131.B12 115.11,60.96 ; D131.B12 114.3,61.77 ; D131.B12 113.49,60.96 ; D131.B12 114.3,60.15 ; D301.B4 314.96,92.15 ; D301.B4 314.96,90.73 ; D301.B4 314.25,91.44 ; D301.B4 315.67,91.44 ; D123.A8 252.27,55.88 ; D123.A8 251.46,55.07 ; D123.A8 250.65,55.88 ; D123.A8 251.46,56.69 ; D318.B15 196.29,68.58 ; D318.B15 195.58,69.29 ; D318.B15 195.58,67.87 ; D318.B15 194.87,68.58 ; D115.A16 310.69,373.38 ; D115.A16 309.07,373.38 ; D115.A16 309.88,372.57 ; D115.A16 309.88,374.19 ; 49.99,76.2 D126.A16 ; D126.A16 50.8,75.39 ; D126.A16 50.8,77.01 ; D126.A16 51.61,76.2 ; D129.B14 120.19,101.6 ; D129.B14 119.38,100.79 ; D129.B14 118.57,101.6 ; D129.B14 119.38,102.41 ; 393.7,39.83 D108.B6 ; D108.B6 393.7,41.45 ; D108.B6 392.89,40.64 ; D108.B6 394.51,40.64 ; D107.A6 393.7,56.69 ; D107.A6 393.7,55.07 ; D107.A6 392.89,55.88 ; D107.A6 394.51,55.88 ; SITE3.G9 250.33,188.41 ; SITE3.G9 250.33,187.45 ; SITE3.G9 250.81,187.93 ; SITE3.G9 249.85,187.93 ; D116.B14 314.96,389.43 ; D116.B14 315.77,388.62 ; D116.B14 314.15,388.62 ; D116.B14 314.96,387.81 ; 14.43,60.96 D127.B2 ; D127.B2 15.24,61.77 ; D127.B2 15.24,60.15 ; D127.B2 16.05,60.96 ; 322.58,370.03 D115.B11 ; D115.B11 323.39,370.84 ; D115.B11 322.58,371.65 ; D115.B11 321.77,370.84 ; 324.31,393.7 D116.A10 ; D116.A10 325.12,394.51 ; D116.A10 325.93,393.7 ; D116.A10 325.12,392.89 ; D104.A13 338.63,33.02 ; D104.A13 337.82,33.83 ; D104.A13 337.82,32.21 ; D104.A13 337.01,33.02 ; 326.95,68.58 D302.B9 ; D302.B9 328.37,68.58 ; D302.B9 327.66,69.29 ; D302.B9 327.66,67.87 ; 332.85,241.33 SITE2.G6 ; SITE2.G6 333.81,241.33 ; SITE2.G6 333.33,240.85 ; SITE2.G6 333.33,241.81 ; D231.A7 186.23,375.92 ; D231.A7 185.42,376.73 ; D231.A7 185.42,375.11 ; D231.A7 184.61,375.92 ; D123.A12 262.43,55.88 ; D123.A12 260.81,55.88 ; D123.A12 261.62,56.69 ; D123.A12 261.62,55.07 ; 320.04,70.41 D302.B6 ; D302.B6 320.04,71.83 ; D302.B6 319.33,71.12 ; D302.B6 320.75,71.12 ; 166.83,76.2 D118.A4 ; D118.A4 167.64,75.39 ; D118.A4 168.45,76.2 ; D118.A4 167.64,77.01 ; D113.A5 337.82,336.09 ; D113.A5 338.63,335.28 ; D113.A5 337.01,335.28 ; D113.A5 337.82,334.47 ; 330.85,181.33 SITE4.G4 ; SITE4.G4 331.33,180.85 ; SITE4.G4 331.81,181.33 ; SITE4.G4 331.33,181.81 ; D231.A5 191.31,375.92 ; D231.A5 190.5,375.11 ; D231.A5 189.69,375.92 ; D231.A5 190.5,376.73 ; D119.B1 160.83,58.42 ; D119.B1 160.02,59.23 ; D119.B1 159.21,58.42 ; 30.48,95.71 D125.A8 ; D125.A8 30.48,97.33 ; D125.A8 31.29,96.52 ; D125.A8 29.67,96.52 ; D120.A3 165.91,33.02 ; D120.A3 164.29,33.02 ; D120.A3 165.1,33.83 ; D120.A3 165.1,32.21 ; D103.A12 335.28,56.69 ; D103.A12 335.28,55.07 ; D103.A12 334.47,55.88 ; D103.A12 336.09,55.88 ; 416.56,390.35 D112.B3 ; D112.B3 415.75,391.16 ; D112.B3 417.37,391.16 ; D112.B3 416.56,391.97 ; D113.A10 325.12,333.55 ; D113.A10 325.93,332.74 ; D113.A10 324.31,332.74 ; D113.A10 325.12,331.93 ; U1.4 97.04,206.48 ; U1.4 97.04,204.6 ; U1.4 96.1,205.54 ; U1.4 97.98,205.54 ; 167.64,90.73 D317.B4 ; D317.B4 168.35,91.44 ; D317.B4 166.93,91.44 ; D317.B4 167.64,92.15 ; D131.B7 101.6,59.23 ; D131.B7 101.6,57.61 ; D131.B7 100.79,58.42 ; 125.27,35.56 D132.A16 123.65,35.56 ; D110.B1 421.64,351.33 ; D110.B1 421.64,349.71 ; D110.B1 422.45,350.52 ; D110.B1 420.83,350.52 ; D124.B1 234.49,38.1 ; D124.B1 232.87,38.1 ; D124.B1 233.68,38.91 ; D124.B1 233.68,37.29 ; 38.1,57.61 D127.B11 ; D127.B11 38.91,58.42 ; D127.B11 38.1,59.23 ; D127.B11 37.29,58.42 ; D318.A4 168.35,66.04 ; D318.A4 167.64,65.33 ; D318.A4 166.93,66.04 ; D318.A4 167.64,66.75 ; D104.B11 333.55,38.1 ; D104.B11 331.93,38.1 ; D104.B11 332.74,38.91 ; D104.B11 332.74,37.29 ; D106.A3 386.89,73.66 ; D106.A3 386.08,72.85 ; D106.A3 386.08,74.47 ; D106.A3 385.27,73.66 ; CSDPS429.C7 185.42,341.17 ; CSDPS429.C7 186.23,340.36 ; CSDPS429.C7 185.42,339.55 ; CSDPS429.C7 184.61,340.36 ; D108.A15 417.37,33.02 ; D108.A15 415.75,33.02 ; D108.A15 416.56,32.21 ; D108.A15 416.56,33.83 ; D115.A1 347.98,376.73 ; D115.A1 348.79,375.92 ; D115.A1 347.17,375.92 ; D115.A1 347.98,375.11 ; 347.17,370.84 D115.B1 ; D115.B1 347.98,370.03 ; D115.B1 348.79,370.84 ; D115.B1 347.98,371.65 ; 274.32,329.39 CSDPS225.C1 ; CSDPS225.C1 274.32,331.01 ; CSDPS225.C1 273.51,330.2 ; CSDPS225.C1 275.13,330.2 ; D124.A11 259.89,33.02 ; D124.A11 258.27,33.02 ; D124.A11 259.08,32.21 ; D124.A11 259.08,33.83 ; 192.33,86.36 D317.A14 ; D317.A14 193.04,85.65 ; D317.A14 193.04,87.07 ; D317.A14 193.75,86.36 ; 33.02,57.61 D127.B9 ; D127.B9 33.02,59.23 ; D127.B9 33.83,58.42 ; D127.B9 32.21,58.42 ; 382.73,60.96 D107.B2 ; D107.B2 384.35,60.96 ; D107.B2 383.54,60.15 ; D107.B2 383.54,61.77 ; 416.56,52.53 D107.A15 ; D107.A15 415.75,53.34 ; D107.A15 416.56,54.15 ; D107.A15 417.37,53.34 ; D125.B11 38.91,99.06 ; D125.B11 38.1,98.25 ; D125.B11 37.29,99.06 ; D125.B11 38.1,99.87 ; 250.65,35.56 D124.A8 ; D124.A8 252.27,35.56 ; D124.A8 251.46,34.75 ; D124.A8 251.46,36.37 ; 85.55,78.74 D130.B1 ; D130.B1 87.17,78.74 ; D130.B1 86.36,77.93 ; D130.B1 86.36,79.55 ; 251.33,240.85 SITE1.G4 ; SITE1.G4 251.33,241.81 ; SITE1.G4 250.85,241.33 ; SITE1.G4 251.81,241.33 ; 397.97,76.2 D106.A8 ; D106.A8 398.78,77.01 ; D106.A8 398.78,75.39 ; D106.A8 399.59,76.2 ; D104.B6 320.04,41.45 ; D104.B6 319.23,40.64 ; D104.B6 320.04,39.83 ; D104.B6 320.85,40.64 ; 381,13.16 DPS1.A01 ; DPS1.A01 381.81,13.97 ; DPS1.A01 381,14.78 ; DPS1.A01 380.19,13.97 ; 169.37,370.84 D231.B13 ; D231.B13 170.18,370.03 ; D231.B13 170.99,370.84 ; D231.B13 170.18,371.65 ; 385.27,396.24 D112.A15 ; D112.A15 386.08,397.05 ; D112.A15 386.08,395.43 ; D112.A15 386.89,396.24 ; D111.A12 393.7,374.19 ; D111.A12 392.89,373.38 ; D111.A12 394.51,373.38 ; D111.A12 393.7,372.57 ; 101.6,93.17 D129.A7 ; D129.A7 100.79,93.98 ; D129.A7 101.6,94.79 ; 408.94,331.93 D109.A6 ; D109.A6 409.75,332.74 ; D109.A6 408.13,332.74 ; D109.A6 408.94,333.55 ; 344.63,347.98 D114.B2 ; D114.B2 345.44,348.79 ; D114.B2 346.25,347.98 ; D114.B2 345.44,347.17 ; 312.42,354.79 D114.A15 ; D114.A15 313.23,355.6 ; D114.A15 311.61,355.6 ; D114.A15 312.42,356.41 ; 25.4,60.15 D127.B6 ; D127.B6 24.59,60.96 ; D127.B6 26.21,60.96 ; D127.B6 25.4,61.77 ; D125.B5 22.86,99.87 ; D125.B5 22.86,98.25 ; D125.B5 22.05,99.06 ; D125.B5 23.67,99.06 ; D107.B14 414.83,60.96 ; D107.B14 413.21,60.96 ; D107.B14 414.02,61.77 ; D107.B14 414.02,60.15 ; 17.78,77.93 D126.B3 ; D126.B3 17.78,79.55 ; D126.B3 18.59,78.74 ; D126.B3 16.97,78.74 ; D123.B3 238.76,59.23 ; D123.B3 237.95,58.42 ; D123.B3 239.57,58.42 ; D123.B3 238.76,57.61 ; 174.45,78.74 D118.B7 ; D118.B7 175.26,77.93 ; D118.B7 175.26,79.55 ; D118.B7 176.07,78.74 ; D103.B1 308.15,58.42 ; D103.B1 307.34,57.61 ; D103.B1 307.34,59.23 ; D103.B1 306.53,58.42 ; D109.B10 398.78,328.47 ; D109.B10 397.97,327.66 ; D109.B10 398.78,326.85 ; D109.B10 399.59,327.66 ; 265.99,86.36 D321.A14 ; D321.A14 266.7,87.07 ; D321.A14 266.7,85.65 ; D321.A14 267.41,86.36 ; 243.03,340.36 CSDPS425.C13 ; CSDPS425.C13 244.65,340.36 ; CSDPS425.C13 243.84,339.55 ; CSDPS425.C13 243.84,341.17 ; 235.41,40.64 D124.B2 ; D124.B2 237.03,40.64 ; D124.B2 236.22,39.83 ; D124.B2 236.22,41.45 ; D124.A9 254,33.83 ; D124.A9 254,32.21 ; D124.A9 253.19,33.02 ; D124.A9 254.81,33.02 ; D118.A5 170.18,74.47 ; D118.A5 170.99,73.66 ; D118.A5 170.18,72.85 ; D118.A5 169.37,73.66 ; 121.92,52.53 D131.A15 ; D131.A15 122.73,53.34 ; D131.A15 121.92,54.15 ; D131.A15 121.11,53.34 ; D115.A12 320.04,374.19 ; D115.A12 319.23,373.38 ; D115.A12 320.85,373.38 ; D115.A12 320.04,372.57 ; 48.26,32.21 D128.A15 ; D128.A15 48.26,33.83 ; D128.A15 47.45,33.02 ; D128.A15 49.07,33.02 ; 309.88,55.07 D103.A2 ; D103.A2 309.07,55.88 ; D103.A2 309.88,56.69 ; D103.A2 310.69,55.88 ; 182.88,80.47 D118.B10 ; D118.B10 182.88,82.09 ; D118.B10 183.69,81.28 ; D118.B10 182.07,81.28 ; D115.A2 345.44,374.19 ; D115.A2 345.44,372.57 ; D115.A2 344.63,373.38 ; D115.A2 346.25,373.38 ; 255.83,91.44 D321.B10 ; D321.B10 257.25,91.44 ; D321.B10 256.54,92.15 ; D321.B10 256.54,90.73 ; D116.A1 348.79,396.24 ; D116.A1 347.98,395.43 ; D116.A1 347.98,397.05 ; D116.A1 347.17,396.24 ; 164.39,63.5 D318.A3 ; D318.A3 165.81,63.5 ; D318.A3 165.1,64.21 ; D318.A3 165.1,62.79 ; 167.64,377.65 D431.B14 ; D431.B14 166.83,378.46 ; D431.B14 168.45,378.46 ; D431.B14 167.64,379.27 ; 70.61,208.1 S1_I2C.4 ; S1_I2C.4 71.55,209.04 ; S1_I2C.4 70.61,209.98 ; S1_I2C.4 69.67,209.04 ; D321.A9 254.71,83.82 ; D321.A9 253.29,83.82 ; D321.A9 254,83.11 ; D321.A9 254,84.53 ; 316.79,83.82 D301.A5 ; D301.A5 317.5,84.53 ; D301.A5 318.21,83.82 ; D132.B14 120.19,40.64 ; D132.B14 119.38,41.45 ; D132.B14 118.57,40.64 ; D107.A8 399.59,55.88 ; D107.A8 398.78,56.69 ; D107.A8 398.78,55.07 ; D107.A8 397.97,55.88 ; D130.B5 97.33,78.74 ; D130.B5 96.52,77.93 ; D130.B5 96.52,79.55 ; 99.87,35.56 D132.A6 98.25,35.56 ; SITE2.G16 333.11,242.83 ; SITE2.G16 332.15,242.83 ; SITE2.G16 332.63,242.35 ; SITE2.G16 332.63,243.31 ; D127.B5 23.67,58.42 ; D127.B5 22.05,58.42 ; D127.B5 22.86,59.23 ; D127.B5 22.86,57.61 ; 264.16,62.79 D322.A13 ; D322.A13 264.87,63.5 ; D322.A13 264.16,64.21 ; D322.A13 263.45,63.5 ; 42.37,73.66 D126.A13 ; D126.A13 43.18,74.47 ; D126.A13 43.99,73.66 ; D126.A13 43.18,72.85 ; 324.41,86.36 D301.A8 ; D301.A8 325.83,86.36 ; D301.A8 325.12,87.07 ; D301.A8 325.12,85.65 